# Altium PCB AU0005A.pcbdoc
Units mil, origin at the board's own origin, x right, y up, seen from the top; angles counter-clockwise.
Board outline 6543.05 x 5808.3 mil, 4 copper layers (Top Layer, GND, PWR, Bottom Layer), stack 39.556 mil thick; 98 components, 61 nets, 390 pads, 0 vias.
Unrouted connection lines stored in the file: 218.
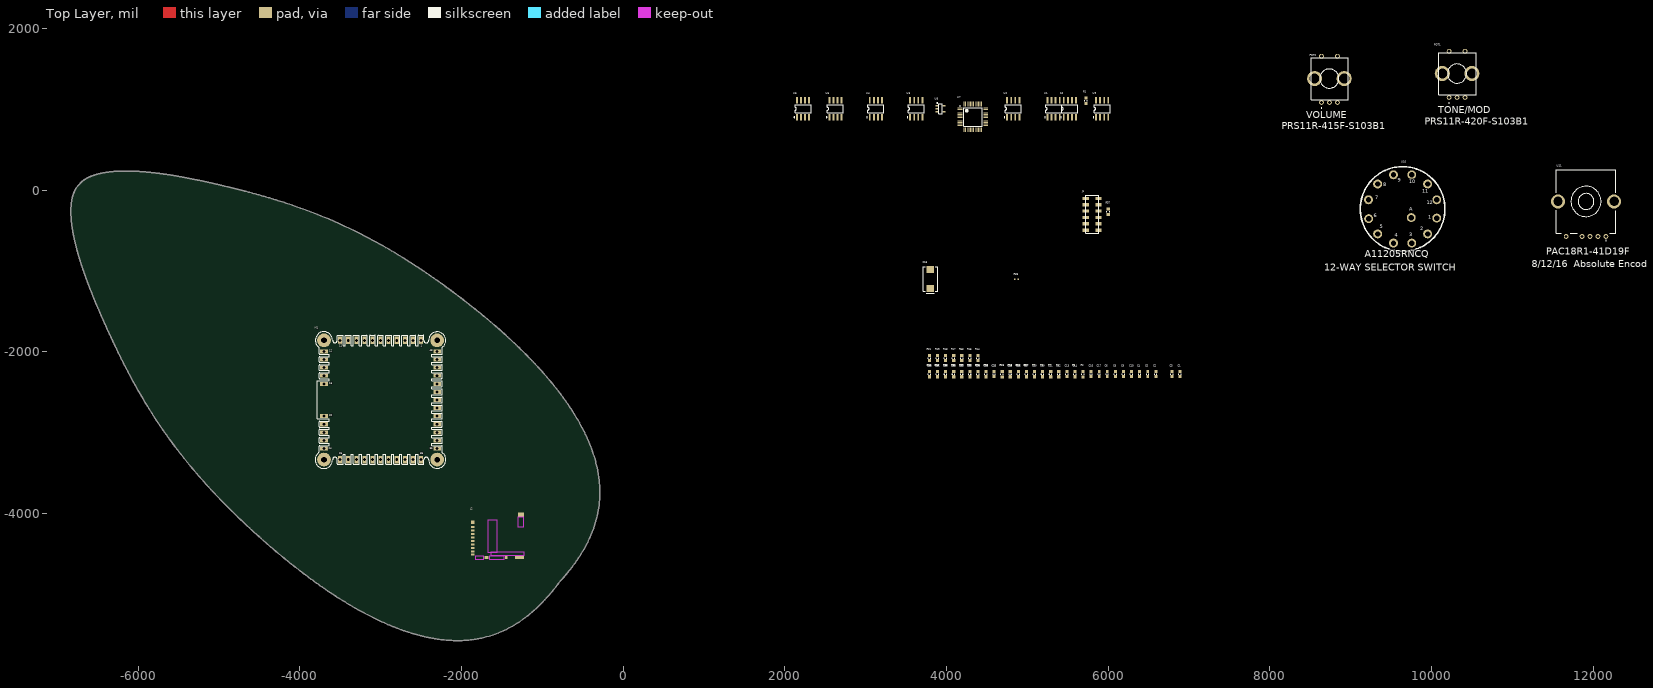
[diagram p0: Top Layer view]
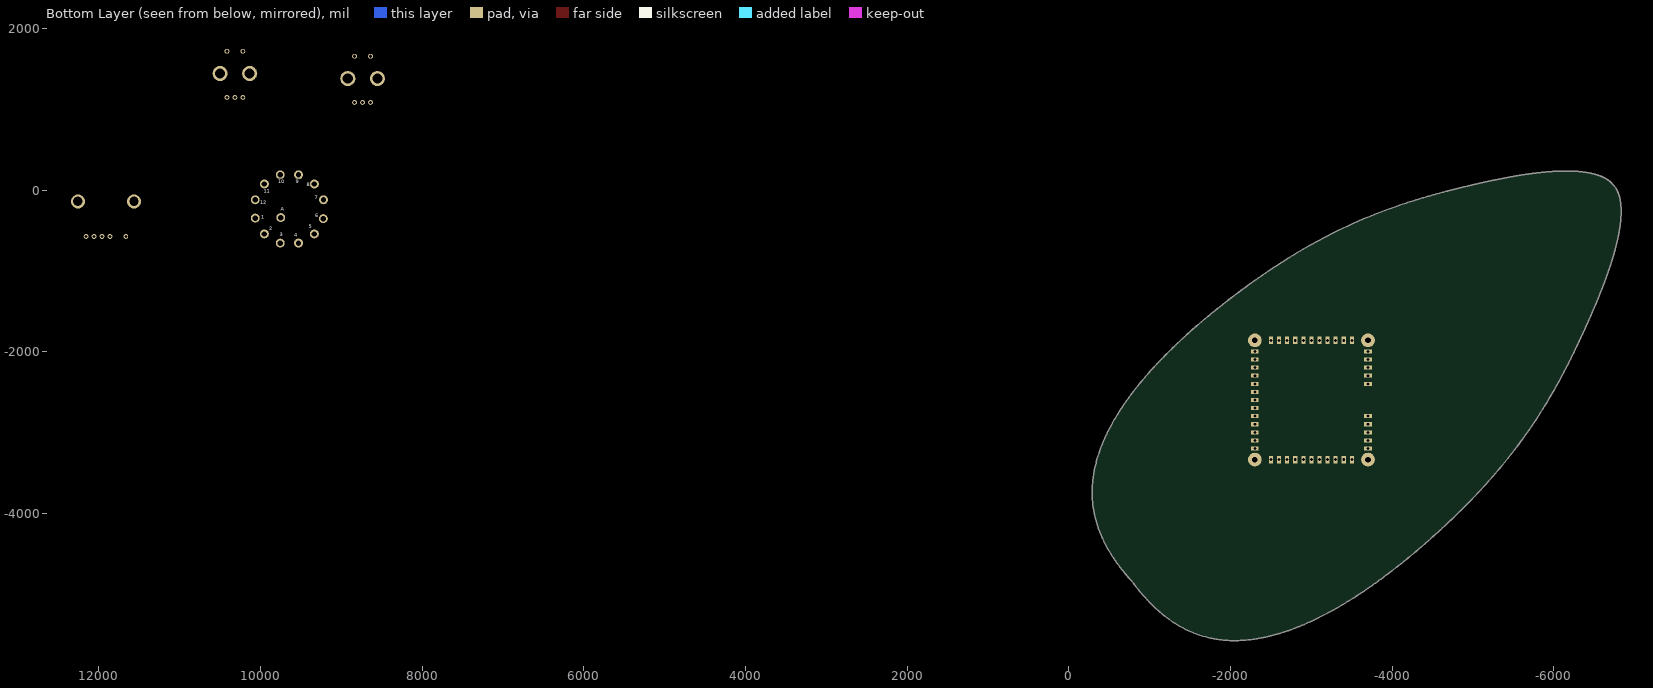
[diagram p1: Bottom Layer view, seen from below]

## Layer stack, top to bottom
Top Solder: solder mask 0.4, Solder Resist, Dk 3.5
Top Layer: signal copper 1.4
Dielectric 1: prepreg 2.8, PP-006, Dk 4.1
GND: signal copper 1.378
Dielectric1: dielectric 28.4, FR-4, Dk 4.8
PWR: signal copper 1.378
Dielectric 2: prepreg 2.8, PP-006, Dk 4.1
Bottom Layer: signal copper 1.4
Bottom Solder: solder mask 0.4, Solder Resist, Dk 3.5

## Board outline
1257 vertices, not listed, extent -6831.99,-5573.18 -288.93,235.11

## Design rules (kind name [scope] priority, off if disabled: settings)
Clearance [All] p1: gap=5 ignorepadtopadclearanceinfootprint=FALSE except(8: Arc-Poly Track-Poly SMDPad-Poly THPad-Poly Via-Poly Fill-Poly Poly-Poly)
ComponentClearance ComponentClearance_1 [HasFootprint('ER-TFT1.54-1')] p1: gap=0 collisioncheckmode=3 verticalgap=0 showdistances=FALSE
ComponentClearance [All] p2: gap=10 collisioncheckmode=3 verticalgap=10 showdistances=FALSE
Height [All] p1: minheight=0 maxheight=5000 prefheight=500
PlaneClearance [All] p1: clearance=10
PolygonConnect PolygonConnect_2 [InNet('GND')] p1: thpad.connectstyle=Direct thpad.reliefconductorwidth=10 thpad.reliefentries=4 thpad.polygonreliefangle="90 Angle" thpad.airgapwidth=10 smdpad.connectstyle=Relief smdpad.reliefconductorwidth=10 smdpad.reliefentries=4 smdpad.polygonreliefangle="90 Angle" smdpad.airgapwidth=10 via.connectstyle=Direct via.reliefconductorwidth=10 via.reliefentries=4 via.polygonreliefangle="90 Angle" via.airgapwidth=10
PolygonConnect PolygonConnect_1 [IsVia] p2: connectstyle=Direct reliefconductorwidth=10 reliefentries=4 polygonreliefangle="90 Angle" airgapwidth=10
PolygonConnect [All] p3: connectstyle=Relief reliefconductorwidth=10 reliefentries=4 polygonreliefangle="90 Angle" airgapwidth=5
RoutingVias [All] p1: holewidth=12 width=26 viastyle="Through Hole" minholewidth=6 minwidth=6 maxholewidth=50 maxwidth=75
SilkToSolderMaskClearance SilkscreenOverComponentPads [IsPad] p1: minsilkscreentomaskgap=10 clearancetoexposedcopper=TRUE
SolderMaskExpansion [All] p1: expansion=4 istentingtop=FALSE
Width [All] p1: maxlimit=200 minlimit=5 preferedwidth=5
26 further rules are at their usual default settings.

## Classes and differential pairs
component class U_ADC_IN: 10 C1 C2 C3 C4 C5 C6 C7 C8 C9 C10 C11 C12 C13 C14 C15 C16 C17 C18 C19 C20 C21 C22 C23 C24 C25 C26 C27 C28 C29 C30 C31 C32 C33 C34 C35 C36 C37 C38 C39 C40 C41 C42 R1 R2 R3 R4 R5 R6 R7 R8 R9 R10 R11 R12 R13 R14 R15 R16 R17 R18 R19 R20 R21 R22 R23 R24 R25 R26 R27 R28 R29 R30 R31 R32 R33 R34 R35 R36 R37 R53 U1 U2 U3 U4 U5 U6 U7 U8 U9
component class RT_SUPER_HOST_A: J1 J2 M1 POT2 R38 U10 U11

## Components (designator, comment, footprint, x,y, rotation, side; value= is the part's Value field where it differs from the comment)
10 "OPA2340UA/2K5" "SOIC 8" 5525,1005.31 r0 top
C1 "1000pF" C0603_0.90MM_MD 6888.44,-2278.04 r90 top
C2 "0.1µF" C0603_0.90MM_MD 6588.44,-2278.04 r90 top
C3 "0.1µF" C0603_0.90MM_MD 6788.44,-2278.04 r90 top
C4 "0.1µF" C0603_0.90MM_MD 6388.44,-2278.04 r90 top
C5 "0.1µF" C0603_0.90MM_MD 6488.44,-2278.04 r90 top
C6 "0.1µF" C0603_0.90MM_MD 5988.44,-2278.04 r90 top
C7 "2000pF" C0603_MD 4988.44,-2278.04 r90 top
C8 "0.1µF" C0603_0.90MM_MD 6088.44,-2278.04 r90 top
C9 "0.1µF" C0603_0.90MM_MD 6188.44,-2278.04 r90 top
C10 "0.1µF" C0603_0.90MM_MD 6288.44,-2278.04 r90 top
C11 "0.1µF" C0603_0.90MM_MD 5288.44,-2278.04 r90 top
C12 "0.1µF" C0603_0.90MM_MD 5388.44,-2278.04 r90 top
C13 "0.1µF" C0603_0.90MM_MD 5488.44,-2278.04 r90 top
C14 "0.1µF" C0603_0.90MM_MD 5588.44,-2278.04 r90 top
C15 "2000pF" C0603_MD 4888.44,-2278.04 r90 top
C16 "0.1µF" C0603_0.90MM_MD 5788.44,-2278.04 r90 top
C17 "0.1µF" C0603_0.90MM_MD 5888.44,-2278.04 r90 top
C18 "220µF" C_TANT_D_HD 3800,-1100 r90 top
C19 "10000pF" C0603_0.90MM_MD 5188.44,-2278.04 r90 top
C20 "10000pF" C0603_0.90MM_MD 4388.44,-2278.04 r90 top
C21 "0.1µF" C0603_0.90MM_MD 4488.44,-2278.04 r90 top
C22 "1µF" C0603_0.90MM_MD 4588.44,-2278.04 r90 top
C23 "10000pF" C0603_0.90MM_MD 4788.44,-2278.04 r90 top
C24 "2000pF" C0603_MD 4788.44,-2278.04 r90 top
C25 "0.1µF" C0603_0.90MM_MD 4888.44,-2278.04 r90 top
C26 "2000pF" C0603_MD 4588.44,-2278.04 r90 top
C27 "0.1µF" C0603_0.90MM_MD 4988.44,-2278.04 r90 top
C28 "2000pF" C0603_MD 4488.44,-2278.04 r90 top
C29 "10000pF" C0603_0.90MM_MD 5088.44,-2278.04 r90 top
C30 "2000pF" C0603_MD 4388.44,-2278.04 r90 top
C31 "2000pF" C0603_MD 4288.44,-2278.04 r90 top
C32 "10000pF" C0603_0.90MM_MD 4288.44,-2278.04 r90 top
C33 "2000pF" C0603_MD 4188.44,-2278.04 r90 top
C34 "2000pF" C0603_MD 4088.44,-2278.04 r90 top
C35 "0.1µF" C0603_0.90MM_MD 4188.44,-2278.04 r90 top
C36 "2000pF" C0603_MD 3988.44,-2278.04 r90 top
C37 "2000pF" C0603_MD 3888.44,-2278.04 r90 top
C38 "10000pF" C0603_0.90MM_MD 4088.44,-2278.04 r90 top
C39 "2000pF" C0603_MD 3788.44,-2278.04 r90 top
C40 "10000pF" C0603_0.90MM_MD 3988.44,-2278.04 r90 top
C41 "10000pF" C0603_0.90MM_MD 3888.44,-2278.04 r90 top
C42 "10000pF" C0603_0.90MM_MD 3788.44,-2278.04 r90 top
J1 "87759-1250" 87759-1250 5800,-300 r90 top
J2 "DM3AT-SF-PEJM5" DM3AT-SF-PEJM5 -1229.11,-4295.43 r90 top
M1 "SUPERMONKEY" SUPERMONKEY -3001,-2597 r0 top
POT1 "Projects" PRS11R420FS103B1 10315,1441 r0 top
POT2 "PRS11R-415F-S103B1" PRS11R415FS103B1 8735.93,1379 r0 top
R1 "4.7M" R0603_MD 5725,1105.31 r90 top
R2 "51" R0603_MD 5688.44,-2278.04 r90 top
R3 "100k" R0603_MD 5588.44,-2278.04 r90 top
R4 "51" R0603_MD 5388.44,-2278.04 r90 top
R5 "4.7M" R0603_MD 4988.44,-2278.04 r90 top
R6 "4.7M" R0603_MD 4888.44,-2278.04 r90 top
R7 "51" R0603_MD 5288.44,-2278.04 r90 top
R8 "100k" R0603_MD 5188.44,-2278.04 r90 top
R9 "51" R0603_MD 5088.44,-2278.04 r90 top
R10 "4.7M" R0603_MD 4788.44,-2278.04 r90 top
R11 "4.7M" R0603_MD 4688.44,-2278.04 r90 top
R12 "51" R0603_MD 4988.44,-2278.04 r90 top
R13 "100k" R0603_MD 4888.44,-2278.04 r90 top
R14 "1k" R0603_MD 4388.44,-2078.04 r90 top
R15 "1k" R0603_MD 4288.44,-2078.04 r90 top
R16 "51" R0603_MD 4788.44,-2278.04 r90 top
R17 "1k" R0603_MD 4088.44,-2078.04 r90 top
R18 "1k" R0603_MD 3988.44,-2078.04 r90 top
R19 "1k" R0603_MD 3888.44,-2078.04 r90 top
R20 "4.7M" R0603_MD 4488.44,-2278.04 r90 top
R21 "1k" R0603_MD 3788.44,-2078.04 r90 top
R22 "4.7M" R0603_MD 4388.44,-2278.04 r90 top
R23 "51" R0603_MD 4688.44,-2278.04 r90 top
R24 "100k" R0603_MD 4488.44,-2278.04 r90 top
R25 "51" R0603_MD 4388.44,-2278.04 r90 top
R26 "4.7M" R0603_MD 4288.44,-2278.04 r90 top
R27 "4.7M" R0603_MD 4188.44,-2278.04 r90 top
R28 "51" R0603_MD 4288.44,-2278.04 r90 top
R29 "100k" R0603_MD 4188.44,-2278.04 r90 top
R30 "51" R0603_MD 4088.44,-2278.04 r90 top
R31 "4.7M" R0603_MD 4088.44,-2278.04 r90 top
R32 "4.7M" R0603_MD 3988.44,-2278.04 r90 top
R33 "51" R0603_MD 3988.44,-2278.04 r90 top
R34 "100k" R0603_MD 3888.44,-2278.04 r90 top
R35 "51" R0603_MD 3788.44,-2278.04 r90 top
R36 "4.7M" R0603_MD 3888.44,-2278.04 r90 top
R37 "4.7M" R0603_MD 6000,-267.52 r90 top
R38 "10k" R0402_0.40MM_MD 4865,-1103 r0 top
R53 "1k" R0603_MD 4188.44,-2078.04 r90 top
U1 "OPA2340UA/2K5" "SOIC 8" 5325,1005.31 r0 top
U2 "OPA2340UA/2K5" "SOIC 8" 4825,1005.31 r0 top
U3 "OPA2340UA/2K5" "SOIC 8" 3625,1005.31 r0 top
U4 "OPA2340UA/2K5" "SOIC 8" 3125,1005.31 r0 top
U5 "OPA2340UA/2K5" "SOIC 8" 2625,1005.31 r0 top
U6 "OPA2340UA/2K5" "SOIC 8" 2225,1005.31 r0 top
U7 "CS5366-DQZ" TSQFP50P900X900X145-48L 4325,905.31 r0 top
U8 "SN74AHC1G125DBVR" SOT23-5 3925,1005.31 r0 top
U9 "OPA2340UA/2K5" "SOIC 8" 5925,1005.31 r0 top
U10 "A11205RNCQ" A11205RNCQ 9641.11,-234.1 r0 top
U11 "PAC18R1-41D19F" PAC18R1 11910,-141 r0 top

## Footprints (in the part's own frame and the unit in brackets; to place one, negate y for a bottom-side part, rotate by r counter-clockwise, add the part's x,y. Pads: shape width x height; smd on the part's side, far side on the other; paste and mask are expansions set on the pad)
87759-1250 [mm] "CONN HEADER 12POS 2MM VERT SMD"
  rect 1x2 smd: 1(-5,-2) 2(-5,2) 3(-3,-2) 4(-3,2) 5(-1,-2) 6(-1,2) 7(1,-2) 8(1,2) 9(3,-2) 10(3,2) 11(5,-2) 12(5,2)
  round 0 hole 1.2 unplated: M1(-4,0) M2(4,0)
  silkscreen extent -5.92,-2.02 5.97,2.03, body extent -5.92,-2.75 5.98,2.75, height 6.45
A11205RNCQ [mil]
  round 110 hole 66: 1(422.11,-113.1) 2(309.01,-309.01) 3(113.1,-422.11) 4(-113.1,-422.11) 5(-309.01,-309.01) 6(-420,-120) 7(-422.11,113.1) 8(-309.01,309.01) 9(-113.1,422.11) 10(113.1,422.11) 11(309.01,309.01) 12(422.11,113.1) A(106.77,-106.77)
  silkscreen extent -523,-523 523,523, body extent -518,-518 518,518, height 1367
C0603_0.90MM_MD [mm] "Capacitor 0603 - Medium Density"
  rect 0.95x0.9 smd: 1(-0.775,0) 2(0.775,0)
  silkscreen extent -0.1,-0.35 0.1,0.35, body extent -0.8,-0.4 0.8,0.4, height 0.9
C0603_MD [mm] "Capacitor 0603 - Medium Density"
  rect 0.95x0.9 smd: 1(-0.775,0) 2(0.775,0)
  silkscreen extent -0.1,-0.35 0.1,0.35, body extent -0.8,-0.4 0.8,0.4, height 0.56
C_TANT_D_HD [mm] "Molded Capacitor, 2-Leads, Body 7.3x4.3mm, IPC High Density"
  rect 2.2x2.35 smd: 1(-2.925,0) 2(2.925,0)
  silkscreen extent -4.44,-2.3 3.8,2.3, body extent -3.65,-2.15 3.65,2.15, height 2.8
DM3AT-SF-PEJM5 [mm] "Hirose DM3AT-SF-PEJM5 uSD connector - Normal Mount"
  rect 0.7x1.2 smd: 1(3.2,16.05) 2(2.1,16.05) 3(1,16.05) 4(-0.1,16.05) 5(-1.2,16.05) 6(-2.3,16.05) 7(-3.4,16.05) 8(-4.5,16.05) CDB(-5.45,16.05)
  rect 1x0.8 smd: CDA(-6.4,5.55)
  rect 1x1.2 smd: M(-6.4,11.75) M(4.75,16.05)
  rect 1x2.8 smd: M(-6.4,1.4)
  rect 1.3x1.9 smd: M(7.1,0.95)
  Top Layer keep-out region: -4.648,8.35 5.325,8.35 5.325,11.4 -4.648,11.4
  Top Layer keep-out region: -5.7,-0.1 -4.7,-0.1 -4.7,10.4 -5.7,10.4
  Top Layer keep-out region: -6.9,6.172 -5.9,6.172 -5.9,10.922 -6.9,10.922
  Top Layer keep-out region: -6.9,12.573 -5.9,12.573 -5.9,15.325 -6.9,15.325
  Top Layer keep-out region: 3.275,0 6.275,0 6.275,1.9 3.275,1.9
  body extent -6.49,0 7.36,16.15, height 1.68
PAC18R1 [mm]
  round 1.5 hole 1: 1(6.25,-11) 2(-6.25,-11) 3(3.75,-11) 4(-1.25,-11) 5(1.25,-11)
  round 4.455 hole 2.97: MH1(8.8,0) MH2(-8.8,0)
  silkscreen extent -9.4,-12.3 9.4,10, body extent -10.35,-10.1 9.85,9.9, height 28.7
PRS11R415FS103B1 [mm]
  round 1.5 hole 1: 1(-2.5,-7.5) 2(0,-7.5) 3(2.5,-7.5) 4(-2.5,7) 5(2.5,7)
  round 4.74 hole 3.16: MH1(-4.65,0) MH2(4.65,0)
  silkscreen extent -5.75,-9.3 5.95,6.49, body extent -5.75,-6.61 5.95,6.49, height 21.8
PRS11R420FS103B1 [mm]
  round 1.5 hole 1: 1(-2.5,-7.5) 2(0,-7.5) 3(2.5,-7.5) 4(-2.5,7) 5(2.5,7)
  round 4.74 hole 3.16: MH1(-4.65,0) MH2(4.65,0)
  silkscreen extent -5.75,-9.3 5.95,6.49, body extent -5.75,-6.61 5.95,6.49, height 26.8
R0402_0.40MM_MD [mm] "Resistor 0402 Medium Density"
  rect 0.45x0.55 smd: 1(-0.5,0) 2(0.5,0)
  body extent -0.5,-0.25 0.5,0.25, height 0.4
R0603_MD [mm] "0603 Resistor - Medium Density"
  rect 0.95x1 smd: 1(-0.825,0) 2(0.825,0)
  silkscreen extent -0.15,-0.4 0.15,0.4, body extent -0.8,-0.4 0.8,0.4, height 0.46
"SOIC 8" [mm]
  rect 0.6x2.05 smd: 1(-1.905,-2.675) 2(-0.635,-2.675) 3(0.635,-2.675) 4(1.905,-2.675) 5(1.905,2.675) 6(0.635,2.675) 7(-0.635,2.675) 8(-1.905,2.675)
  silkscreen extent -2.88,-2.8 2.5,1.25, body extent -2.49,-3.19 2.51,3.14, height 1.88
SOT23-5 [mm] "SOT23, 5-Leads, Body 3.1x2.6mm (max), Pitch 0.95mm, IPC High Density"
  rect 0.85x0.6 smd: 1(-1.125,0.95) 2(-1.125,0) 3(-1.125,-0.95) 4(1.125,-0.95) 5(1.125,0.95)
  silkscreen extent -1.15,-1.5 0.5,1.92, body extent -1.38,-1.45 1.32,1.45, height 1.15
SUPERMONKEY [mil]
  rect 50x95 hole 36: 1(500,737.5) 2(400,737.5) 3(300,737.5) 4(200,737.5) 5(100,737.5) 6(0,737.5) 7(-100,737.5) 8(-200,737.5) 9(-300,737.5) 10(-400,737.5) 11(-500,737.5) 25(-500,-737.5) 26(-400,-737.5) 27(-300,-737.5) 28(-200,-737.5) 29(-100,-737.5) 30(0,-737.5) 31(100,-737.5) 32(200,-737.5) 33(300,-737.5) 34(400,-737.5) 35(500,-737.5)
  round 170 hole 70: 2(-700,-737.5) 2(-700,737.5) 2(700,-737.5) 2(700,737.5)
  rect 95x50 hole 36: 12(-700,600) 13(-700,500) 14(-700,400) 15(-700,300) 16(-700,200) 20(-700,-200) 21(-700,-300) 22(-700,-400) 23(-700,-500) 24(-700,-600) 36(700,-600) 37(700,-500) 38(700,-400) 39(700,-300) 40(700,-200) 41(700,-100) 42(700,0) 43(700,100) 44(700,200) 45(700,300) 46(700,400) 47(700,500) 48(700,600)
  Top Layer lines w5: -700,-600 -699.68,-600.32 ; -700,-400 -686.73,-386.73 ; -700,-300 -697,-303 ; -700,200 -699.88,199.88 ; -700,400 -698.35,401.65 ; -409.45,-728.05 -400,-737.5 ; 100,-737.5 103,-734.5 ; 500,-737.5 505,-732.5 ; 696.57,-396.57 700,-400
  Top Layer lines w20: 498,735.5 500,737.5
  silkscreen extent -810,-847 807,844
TSQFP50P900X900X145-48L [mm] "TSQFP, 48-Leads, Body 9.1x9.1mm (max), Pitch 0.50mm, IPC High Density"
  rect 1.5x0.25 smd: 1(-4.05,2.75) 2(-4.05,2.25) 3(-4.05,1.75) 4(-4.05,1.25) 5(-4.05,0.75) 6(-4.05,0.25) 7(-4.05,-0.25) 8(-4.05,-0.75) 9(-4.05,-1.25) 10(-4.05,-1.75) 11(-4.05,-2.25) 12(-4.05,-2.75) 25(4.05,-2.75) 26(4.05,-2.25) 27(4.05,-1.75) 28(4.05,-1.25) 29(4.05,-0.75) 30(4.05,-0.25) 31(4.05,0.25) 32(4.05,0.75) 33(4.05,1.25) 34(4.05,1.75) 35(4.05,2.25) 36(4.05,2.75)
  rect 0.25x1.5 smd: 13(-2.75,-4.05) 14(-2.25,-4.05) 15(-1.75,-4.05) 16(-1.25,-4.05) 17(-0.75,-4.05) 18(-0.25,-4.05) 19(0.25,-4.05) 20(0.75,-4.05) 21(1.25,-4.05) 22(1.75,-4.05) 23(2.25,-4.05) 24(2.75,-4.05) 37(2.75,4.05) 38(2.25,4.05) 39(1.75,4.05) 40(1.25,4.05) 41(0.75,4.05) 42(0.25,4.05) 43(-0.25,4.05) 44(-0.75,4.05) 45(-1.25,4.05) 46(-1.75,4.05) 47(-2.25,4.05) 48(-2.75,4.05)
  silkscreen extent -4.17,-2.9 2.9,3.55, body extent -4.5,-4.5 4.5,4.5, height 1.4

## Part data
10 U1 U2 U3 U4 U5 U6 U9: "IC OPAMP GP 5.5MHZ RRO 8SOIC", Current - Input Bias=0.2pA, Current - Output / Channel=50mA, Current - Supply=750µA, Manufacturer="Texas Instruments", Operating Temperature="-40°C ~ 85°C", Package / Case="8-SOIC (0.154\", 3.90mm Width)", Supplier Device Package=8-SOIC, Supplier Part Number 1=296-26254-1-ND, Voltage - Input Offset=150µV, Voltage - Supply, Single/Dual (±)="2.5 V ~ 5.5 V", -3db Bandwidth=-, Amplifier Type="General Purpose", Category="Integrated Circuits (ICs)", ComponentLink1Description=http://www.ti.com/lit/ds/symlink/opa2340.pdf, ComponentLink1URL=http://www.ti.com/lit/ds/symlink/opa2340.pdf, Gain Bandwidth Product=5.5MHz, Manufacturer Part Number=OPA2340UA/2K5, Mounting Type="Surface Mount", Number of Circuits=2, Output Type=Rail-to-Rail, Packaging="Cut Tape (CT)", Pricing 1="1=3.51, 10=3.148, 25=2.8304, 100=2.5742, 250=2.3302, 500=2.0862, 750=1.891, 1000=1.7568 (USD)", RoHS="RoHS Compliant", Slew Rate="6 V/µs", Stock 1=1425, Supplier 1=Digi-Key
C1: library part CL10C102FB8NNNC, "CAP CER 1000PF 50V C0G/NP0 0603", Manufacturer="Samsung Electro-Mechanics", Operating Temperature="-55°C ~ 125°C", Package=0603, Ratings=-, Supplier Part Number 1=1276-6824-1-ND, Temperature Coefficient="C0G, NP0", Tolerance=±1%, Voltage - Rated=50V, Category=Capacitors, ComponentLink1Description="Datasheet (Internal)", ComponentLink1URL=datasheets\Samsung\CL05B153KB5VPNC.pdf.pdf, ComponentLink2Description="Datasheet (External)", ComponentLink2URL=http://www.samsungsem.com/kr/support/product-search/mlcc/__icsFiles/afieldfile/2017/05/25/CL05B153KB5VPNC.pdf, Manufacturer Part Number=CL10C102FB8NNNC, Substitution Notes="1000pF , 50V , ±1% , C0G, NP0 , -55°C ~ 125°C,0603", Supplier 1=Digikey, Thickness (Max)=0.90MM
C2 C3 C4 C5 C6 C8 C9 C10 C11 C12 C13 C14 C16 C17 C21 C25 C27 C35: library part CGA3E2X7R1H104K080AA, "CAP CER 0.1UF 50V X7R 0603", Manufacturer="TDK Corporation", Operating Temperature="-55°C ~ 125°C", Package=0603, Ratings=AEC-Q200, Supplier Part Number 1=445-5666-1-ND, Temperature Coefficient=X7R, Tolerance=±10%, Voltage - Rated=50V, Category=Capacitors, ComponentLink1Description="Datasheet (Internal)", ComponentLink1URL=datasheets\TDK\mlcc_automotive_general_en.pdf, ComponentLink2Description="Datasheet (External)", ComponentLink2URL=https://product.tdk.com/info/en/catalog/datasheets/mlcc_automotive_general_en.pdf, Features=-, Manufacturer Part Number=CGA3E2X7R1H104K080AA, Substitution Notes="0.1µF , 50V , ±10% , X7R , -55°C ~ 125°C , AEC-Q200 , 0603", Supplier 1=Digikey, Thickness (Max)=0.90MM
C7 C15 C24 C26 C28 C30 C31 C33 C34 C36 C37 C39: library part GRM1885C1H202JA01D, "CAP CER 2000PF 50V 5% NP0 0603", Manufacturer="Murata Electronics North America", Operating Temperature="-55°C ~ 125°C", Package="0603 (1608 Metric)", Ratings=-, Sort Value=2000, Sort Value Package=0603_2000, Supplier Package=0603, Supplier Part Number 1=490-1458-1-ND, Temperature Coefficient="C0G- NP0", Tolerance=±5%, Value_Voltage="2000pF  50V", Voltage - Rated=50V, Applications="General Purpose", Capacitance=2000pF, Category=Capacitors, ComponentLink1Description="\\altium.sil.arl.psu.edu\Libraries\datasheets\Murata Electronics North America\GRM1885C1H202JA01%23.pdf", ComponentLink1URL=http://search.murata.co.jp/Ceramy/image/img/A01X/G101/ENG/GRM1555C1HR60WA01-01.pdf, ComponentLink2Description="External Datasheet", ComponentLink2URL=http://psearch.murata.com/capacitor/product/GRM1885C1H202JA01%23.pdf, Features=-, Height - Seated (Max)=-, Lead Spacing=-, Lead Style=-, Manufacturer Part Number=GRM1885C1H202JA01D, Mounting Type="Surface Mount- MLCC", Packaging="Cut Tape (CT)", Pricing="1 = 0.13  ;  10 = 0.09  ;  50 = 0.0518  ;  100 = 0.0428  ;  250 = 0.036  ;  500 = 0.03016  ;  1000 = 0.02475 (USD)", Sales Status=Active, Size / Dimension="0.063\" L x 0.031\" W (1.60mm x 0.80mm)", Stocked=0, Supplier 1=Digi-Key, Thickness=90, Thickness (Max)="0.035\" (0.90mm)"
C18: library part T495D227K010ATE125, "CAP TANT 220UF 10V 10% 2917", ESR (Equivalent Series Resistance)="125 mOhm", Lifetime @ Temp#=-, Manufacturer=Kemet, Operating Temperature="-55°C ~ 125°C", Package="2917 (7343 Metric)", Sort Value=220000000, Sort Value Package=D_220000000, Supplier Package=D, Supplier Part Number 1=399-3881-1-ND, Temperature Coefficient="Temperature Coefficient", Tolerance=±10%, Value_Voltage="220µF  10V  125 mOhm", Voltage - Rated=10V, Capacitance=220µF, Category=Capacitors, ComponentLink1Description="Internal Datasheet", ComponentLink1URL=http://www.kemet.com/datasheets&T495D227K010ATE125, ComponentLink2Description="External Datasheet", ComponentLink2URL=http://www.kemet.com/datasheets&T495D227K010ATE125, F40=T, Features="General Purpose", Height - Seated (Max)="0.122\" (3.10mm)", Lead Spacing=-, Manufacturer Part Number=T495D227K010ATE125, Mounting Type="Surface Mount", Packaging="Cut Tape (CT)", Pricing="1 = 1.68  ;  10 = 1.329  ;  50 = 1.1518  ;  100 = 0.9968  ;  250 = 0.886 (USD)", Sales Status=Active, Size / Dimension="0.287\" L x 0.169\" W (7.30mm x 4.30mm)", Stocked=0, Supplier 1=Digi-Key, Type=Molded
C19 C20 C23 C29 C32 C38 C40 C41 C42: library part CGA3E2X7R1H103K080AA, "CAP CER 10000PF 50V X7R 0603", Manufacturer="TDK Corporation", Operating Temperature="-55°C ~ 125°C", Package=0603, Ratings=AEC-Q200, Supplier Part Number 1=445-5662-1-ND, Temperature Coefficient=X7R, Tolerance=±10%, Voltage - Rated=50V, Category=Capacitors, ComponentLink1Description="Datasheet (Internal)", ComponentLink1URL=datasheets\TDK\mlcc_automotive_general_en.pdf, ComponentLink2Description="Datasheet (External)", ComponentLink2URL=https://product.tdk.com/info/en/catalog/datasheets/mlcc_automotive_general_en.pdf, Features=-, Manufacturer Part Number=CGA3E2X7R1H103K080AA, Substitution Notes="10000pF , 50V , ±10% , X7R , -55°C ~ 125°C , AEC-Q200 , 0603", Supplier 1=Digikey, Thickness (Max)=0.90MM
C22: library part CGA3E1X7R1E105K080AC, "CAP CER 1UF 25V X7R 0603", Manufacturer="TDK Corporation", Operating Temperature="-55°C ~ 125°C", Package=0603, Ratings=AEC-Q200, Supplier Part Number 1=445-6931-1-ND, Temperature Coefficient=X7R, Tolerance=±10%, Voltage - Rated=25V, Category=Capacitors, ComponentLink1Description="Datasheet (Internal)", ComponentLink1URL=datasheets\TDK\mlcc_automotive_general_en.pdf, ComponentLink2Description="Datasheet (External)", ComponentLink2URL=https://product.tdk.com/info/en/catalog/datasheets/mlcc_automotive_general_en.pdf, Features=-, Manufacturer Part Number=CGA3E1X7R1E105K080AC, Substitution Notes="1µF , 25V , ±10% , X7R , -55°C ~ 125°C , AEC-Q200 , 0603", Supplier 1=Digikey, Thickness (Max)=0.90MM
J1: "CONN HEADER 12POS 2MM VERT SMD", Color=Black, Manufacturer="Molex Connector Corporation", Supplier Part Number 1=WM18653-ND, Category="Connectors, Interconnects", ComponentLink1Description=http://www.molex.com/pdm_docs/sd/877591250_sd.pdf, ComponentLink1URL=http://www.molex.com/pdm_docs/sd/877591250_sd.pdf, Connector Type="Header, Unshrouded", Contact Finish=Gold, Contact Finish Thickness="15µin (0.38µm)", Contact Mating Length="0.150\" (3.81mm)", Contact Type="Male Pin", Fastening Type=-, Features="Board Guide", Manufacturer Part Number=87759-1250, Mounting Type="Surface Mount", Number of Positions=12, Number of Positions Loaded=All, Number of Rows=2, Packaging=Tube, Pitch="0.079\" (2.00mm)", Pricing 1="1=2.07, 10=1.823, 100=1.2155, 500=0.9724, 1000=0.80709 (USD)", RoHS="RoHS Compliant", Row Spacing="0.079\" (2.00mm)", Stock 1=1595, Supplier 1=Digi-Key, Termination=Solder
J2: "CONN MICRO SD R/A PUSH-PUSH SMD", Manufacturer="Hirose Electric Co Ltd", Supplier Part Number 1=HR1964CT-ND, Card Type="Secure Digital - microSD™", Category="Connectors, Interconnects", ComponentLink1Description=http://www.hirose.co.jp/cataloge_hp/e60900232.pdf, ComponentLink1URL=http://www.hirose.co.jp/cataloge_hp/e60900232.pdf, Connector Type="Connector and Ejector", Contact Finish=Gold, Contact Finish Thickness=-, Ejector Side=-, Features=Switch, Height Above Board="0.066\" (1.68mm)", Insertion, Removal Method="Push In, Push Out", Manufacturer Part Number=DM3AT-SF-PEJM5, Mounting Feature="Normal, Standard - Top", Mounting Type="Surface Mount, Right Angle", Number of Positions="10 (8 + 2)", Packaging="Cut Tape (CT)", Pricing="1=2.83, 10=2.72, 25=2.4932, 50=2.3798, 100=2.2664, 250=1.98312, 500=1.92648 (USD)", RoHS="RoHS Compliant", Stock=28699, Supplier 1=Digi-Key
POT1: library part PRS11R-420F-S103B1, Manufacturer=Bourns, Manufacturer Part Number=PRS11R-415F-S103B1, Supplier Part Number 1=652-PRS11R415FS103B1, Pricing="1=3.76000, 10=3.30000, 50=3.30000, 100=2.70000, 1000=1.82000, 10000=1.70000 (USD)", RoHS=No, Stock 1=729, Supplier 1=Mouser
POT2: Manufacturer=Bourns, Supplier Part Number 1=652-PRS11R415FS103B1, Manufacturer Part Number=PRS11R-415F-S103B1, Pricing="1=3.76000, 10=3.30000, 50=3.30000, 100=2.70000, 1000=1.82000, 10000=1.70000 (USD)", RoHS=No, Stock 1=729, Supplier 1=Mouser
R1 R5 R6 R10 R11 R20 R22 R26 R27 R31 R32 R36 R37: "RES SMD 4.7M OHM 1% 1/10W 0603", Case Code (Imperial)=0603, Case Code (Metric)=1608, Manufacturer=Yageo, Manufacturer Part Number=RC0603FR-074M7L, Max Operating Temperature=155°C, Min Operating Temperature=-55°C, Power Rating=100mW, Resistance=4.7MR, Supplier Part Number 1=311-4.70MHRCT-ND, Temperature Coefficient=100ppm/°C, Tolerance=1%, Voltage Rating=50V, Case/Package=0603, ComponentLink1Description=https://datasheet.ciiva.com/11819/0900766b80f96399-11819362.pdf, ComponentLink1URL=https://datasheet.ciiva.com/11819/0900766b80f96399-11819362.pdf, ComponentLink2Description=https://datasheet.ciiva.com/15189/getdatasheetpartid-328863-15189765.pdf, ComponentLink2URL=https://datasheet.ciiva.com/15189/getdatasheetpartid-328863-15189765.pdf, ComponentLink3Description=https://datasheet.ciiva.com/7746/443971-7746367.pdf, ComponentLink3URL=https://datasheet.ciiva.com/7746/443971-7746367.pdf, Composition="Thick Film", Depth=0.8mm, Height=0.45mm, Lead Free="Lead Free", Length=1.6mm, Military Standard=Not, Number of Pins=2, Packaging="Tape and Reel", Pricing 1="1=0.1, 10=0.015, 100=0.006, 1000=0.00268, 2500=0.00233 (USD)", REACH SVHC="No SVHC", Stock 1=774342, Supplier 1=Digi-Key, Termination=SMD/SMT, Voltage Rating (DC)=50V, Width=0.8mm
R2 R4 R7 R9 R12 R16 R23 R25 R28 R30 R33 R35: library part ERJ-3EKF51R0V, "RES 51 OHM 1/10W 1% 0603 SMD", Limiting Element Voltage=75, Manufacturer="Panasonic Electronic Components", Maximum Overload Voltage=150, Maximum Working Voltage=2.3V, Package="0603 (1608 Metric)", Package Power="0603  (0.1W)", Power (Watts)="0.1W- 1/10W", Sort Value Package=603_51, Supplier Package=603, Supplier Part Number 1=P51.0HCT-ND, Temperature Coefficient=±100ppm/°C, Tolerance=±1%, Category=Resistors, ComponentLink1Description="Internal Datasheet", ComponentLink1URL="\\altium.sil.arl.psu.edu\Libraries\datasheets\Panasonic Electronic Components\AOA0000CE2.pdf", ComponentLink2Description="External Datasheet", ComponentLink2URL=http://industrial.panasonic.com/www-data/pdf/AOA0000/AOA0000CE2.pdf, Composition="Thick Film", Features=-, Height="0.022\" (0.55mm)", Manufacturer Part Number=ERJ-3EKF51R0V, Number of Terminations=2, Packaging="Cut Tape (CT)", Resistance (Ohms)=51, Size / Dimension="0.063\" L x 0.031\" W (1.60mm x 0.80mm)", Sort Value=51, Stocked=0, Supplier 1=Digi-Key
R3 R8 R13 R24 R29 R34: library part ERJ-3EKF1003V, "RES 100K OHM 1/10W 1% 0603 SMD", Limiting Element Voltage=75, Manufacturer="Panasonic Electronic Components", Maximum Overload Voltage=150, Maximum Working Voltage=75.0V, Package="0603 (1608 Metric)", Package Power="0603  (0.1W)", Power (Watts)="0.1W- 1/10W", Sort Value=100000, Sort Value Package=603_100000, Supplier Package=603, Supplier Part Number 1=P100KHCT-ND, Temperature Coefficient=±100ppm/°C, Tolerance=±1%, Category=Resistors, ComponentLink1Description="Internal Datasheet", ComponentLink1URL="\\altium.sil.arl.psu.edu\Libraries\datasheets\Panasonic Electronic Components\AOA0000CE2.pdf", ComponentLink2Description="External Datasheet", ComponentLink2URL=http://industrial.panasonic.com/www-data/pdf/AOA0000/AOA0000CE2.pdf, Composition="Thick Film", Features=-, Height="0.022\" (0.55mm)", Manufacturer Part Number=ERJ-3EKF1003V, Number of Terminations=2, Packaging="Cut Tape (CT)", Resistance (Ohms)=100k, Size / Dimension="0.063\" L x 0.031\" W (1.60mm x 0.80mm)", Stocked=0, Supplier 1=Digi-Key
R14 R15 R17 R18 R19 R21 R53: library part ERJ-3EKF1001V, "RES 1K OHM 1/10W 1% 0603 SMD", Limiting Element Voltage=75, Manufacturer="Panasonic Electronic Components", Maximum Overload Voltage=150, Maximum Working Voltage=10.0V, Package="0603 (1608 Metric)", Package Power="0603  (0.1W)", Power (Watts)="0.1W- 1/10W", Sort Value=1000, Sort Value Package=603_1000, Supplier Package=603, Supplier Part Number 1=P1.00KHCT-ND, Temperature Coefficient=±100ppm/°C, Tolerance=±1%, Category=Resistors, ComponentLink1Description="Internal Datasheet", ComponentLink1URL="\\altium.sil.arl.psu.edu\Libraries\datasheets\Panasonic Electronic Components\AOA0000CE2.pdf", ComponentLink2Description="External Datasheet", ComponentLink2URL=http://industrial.panasonic.com/www-data/pdf/AOA0000/AOA0000CE2.pdf, Composition="Thick Film", Features=-, Height="0.022\" (0.55mm)", Manufacturer Part Number=ERJ-3EKF1001V, Number of Terminations=2, Packaging="Cut Tape (CT)", Resistance (Ohms)=1k, Size / Dimension="0.063\" L x 0.031\" W (1.60mm x 0.80mm)", Stocked=0, Supplier 1=Digi-Key
R38: library part ERJ-2RKF1002X, "RES 10K OHM 1/10W 1% 0402 SMD", Limiting Element Voltage=50, Manufacturer="Panasonic Electronic Components", Maximum Overload Voltage=100, Maximum Working Voltage=31.6V, Package="0402 (1005 Metric)", Package Power="0402  (0.1W)", Power (Watts)="0.1W- 1/10W", Ratings=AEC-Q200, Sort Value=10000, Sort Value Package=402_10000, Supplier Package=0402, Supplier Part Number 1=P10.0KLCT-ND, Temperature Coefficient=±100ppm/°C, Tolerance=±1%, Category=Resistors, ComponentLink1Description="Internal Datasheet", ComponentLink1URL="datasheets\Panasonic Electronic Components\AOA0000CE2.pdf", ComponentLink2Description="External Datasheet", ComponentLink2URL=http://industrial.panasonic.com/www-data/pdf/AOA0000/AOA0000CE2.pdf, Composition="Thick Film", Features=-, Height=0.40MM, Manufacturer Part Number=ERJ-2RKF1002X, Number of Terminations=2, Packaging="Cut Tape (CT)", Resistance (Ohms)=10k, Size / Dimension="0.039\" L x 0.020\" W (1.00mm x 0.50mm)", Substitution Notes="10k , ±1% , 0402 , AEC-Q200", Supplier 1=Digi-Key
U7: "Audio A/D Converter ICs 114dB 192kHz 6-Ch ADC w/TDM Interface", Manufacturer="Cirrus Logic", Maximum Operating Temperature="+ 105 C", Minimum Operating Temperature="- 40 C", Operating Supply Voltage="5 V", Package / Case=LQFP-48, Supplier Part Number 1=777-CS5366-DQZ, Supply Voltage - Max="5.25 V", Supply Voltage - Min="4.75 V", Brand="Cirrus Logic", Category="Audio A/D Converter ICs", ComponentLink1Description=http://www.mouser.com/ds/2/76/CirrusLogic_CS5366_F5-356671.pdf, ComponentLink1URL=http://www.mouser.com/ds/2/76/CirrusLogic_CS5366_F5-356671.pdf, Conversion Rate="192 kS/s", Manufacturer Part Number=CS5366-DQZ, Minimum Order Quantity=168, Mounting Style=SMD/SMT, Number of ADC Inputs=6, Number of Converters=1, Packaging=Tube, Pricing 1="168=20.52, 250=18.89, 500=17.91 (AUD)", Product Category="Converters - Analog to Digital (ADC)", Reeling=False, Resolution="24 bit", RoHS="RoHS Compliant", RoHS - Mouser=Y, Series=CS5366, SNR=No, Standard Pack Qty=250, Stock 1=0, Supplier 1=Mouser, Tradename=CS5366
U8: "IC BUS BUFF TRI-ST N-INV SOT235", Current - Output High, Low="8mA, 8mA", Manufacturer="Texas Instruments", Operating Temperature="-40°C ~ 85°C", Package / Case="SC-74A, SOT-753", Supplier Device Package=SOT-23-5, Supplier Part Number 1=296-8744-1-ND, Voltage - Supply="2 V ~ 5.5 V", Category="Integrated Circuits (ICs)", ComponentLink1Description=http://www.ti.com/lit/ds/symlink/sn74ahc1g125.pdf, ComponentLink1URL=http://www.ti.com/lit/ds/symlink/sn74ahc1g125.pdf, Logic Type="Buffer/Line Driver, Non-Inverting", Manufacturer Part Number=SN74AHC1G125DBVR, Mounting Type="Surface Mount", Number of Bits per Element=1, Number of Elements=1, Packaging="Cut Tape (CT)", Pricing 1="1=0.53, 25=0.31, 100=0.25, 250=0.18, 500=0.145, 1000=0.1125 (USD)", RoHS="RoHS Compliant", Stock 1=40446, Supplier 1=Digi-Key
U10: "Switch Rotary N.O./N.C. SP12T 12 Flatted Shaft PC Pins 2.5A 125VAC 125VDC Automotive", Current Rating=2.5A, Manufacturer="ITT C&K", Max Operating Temperature=85°C, Max Voltage Rating (AC)=125V, Min Operating Temperature=-30°C, Package Quantity=1, Supplier Part Number 1=CKN6042-ND, Actuator Length=12.7mm, Actuator Material=Nylon,Glass, Category="Rotary Switches", ComponentLink1Description=https://datasheet.ciiva.com/2887/a-rotary-30juyl14-2887303.pdf?src-supplier=Digi-Key, ComponentLink1URL=https://datasheet.ciiva.com/2887/a-rotary-30juyl14-2887303.pdf?src-supplier=Digi-Key, Contact Material=Silver, Contact Plating=Silver, Contact Style=Non-Shorting, Depth=26.19mm, Electrical Life=300000Cycles, Housing Material=Nylon, Index Angle=30°, Index Stops=Fixed, Lead Free="Lead Free", Length=26.19mm, Manufacturer Part Number=A11205RNCQ, Max Current Rating=2.5A, Max Voltage Rating (DC)=125V, Mount="Through Hole,Panel", Number of Decks=1, Number of Poles per Deck=1, Number of Positions=12, Orientation=Straight, Packaging=Bulk, Pricing="1=10.02000, 5=8.59800, 10=8.05100, 36=7.38194, 72=6.89514, 108=6.48963, 252=5.94202, 468=5.57701, 972=5.27280 (USD)", Radiation Hardening=No, RoHS=Yes, RoHS Compliant=Yes, Series=A, Stock 1=2149, Supplier 1=Digi-Key, Termination="PC Pin", Throw Configuration=SP,SP12T, Voltage Rating=125V, Voltage Rating (AC)=125V, Voltage Rating (DC)=125V
U11: Manufacturer=Bourns, Supplier Part Number 1=652-PAC18R1-41D19F, Manufacturer Part Number=PAC18R1-41D19F, Pricing="1=3.26000, 10=3.04000, 50=2.60000, 100=2.45000, 1000=2.00000, 10000=1.91000 (USD)", RoHS=No, Stock 1=1877, Supplier 1=Mouser

## Nets (pads, with @x,y where several pads share a name; then routed paths per layer and width w, separated by ;. In a path a pad name is that pad's centre, name@x,y a point inside that pad or via, vN(x,y) a via of type N, cw(c..) or ccw(c..) an arc to the next point about the centre after c; other vN are vias at no path point)
+3.3v: C11.2 C12.2 C13.2 C14.2 C16.2 C17.2 C35.2 J2.4 R15.1 R17.1 R18.1 R38.1 R53.1 U7.28 U7.33 U7.35 U8.5
+5v_A: C2.2 C3.2 C4.2 C5.2 C6.2 C8.2 C9.2 C20.2 C21.2 C22.2 C23.1 U1.8 U2.8 U3.8 U4.8 U5.8 U6.8 U7.4 U7.9 U7.20 U9.8
+FILT: C18.1 C25.2 U7.6
+VMID: 10.3 U1.5 U2.3 U2.5 U3.3 U3.5 U4.3 U4.5 U5.3 U5.5 U6.3 U6.5 U9.6 U9.7
+VQ: C10.2 C27.2 C29.1 U7.7 U9.5
ADC_LRCLK: M1.47 U7.24
ADC_MCLK: M1.14 U7.23
ADC_RST: M1.39 R53.2 U7.41
ADC_SCLK: M1.48 U7.25
ADC_TDM: M1.46 U8.4
GND: C2.1 C3.1 C4.1 C5.1 C6.1 C8.1 C9.1 C10.1 C11.1 C12.1 C13.1 C14.1 C16.1 C17.1 C18.2 C20.1 C21.1 C22.1 C23.2 C25.1 C27.1 C29.2 C35.1 J2.6 J2.CDA J2.M R14.1 R19.1 R21.1 U1.4 U2.4 U3.4 U4.4 U5.4 U6.4 U7.3 U7.5 U7.8 U7.10 U7.15 U7.16 U7.17 U7.18 U7.19 U7.21 U7.22 U7.29 U7.32 U8.1 U8.3 U9.4
Net10_1: 10.1 C7.2 R1.2 U7.43
Net10_2: 10.2 C7.1 C19.2 R1.1 R2.2 R3.2
NetC15_1: C15.1 C19.1 R3.1 R4.2 R6.1 U1.6
NetC15_2: C15.2 R6.2 U1.7 U7.44
NetC24_1: C24.1 C32.2 R7.2 R8.2 R10.1 U2.2
NetC24_2: C24.2 R10.2 U2.1 U7.45
NetC26_1: C26.1 C32.1 R8.1 R9.2 R11.1 U2.6
NetC26_2: C26.2 R11.2 U2.7 U7.46
NetC28_1: C28.1 C38.2 R12.2 R13.2 R20.1 U3.2
NetC28_2: C28.2 R20.2 U3.1 U7.47
NetC30_1: C30.1 C38.1 R13.1 R16.2 R22.1 U3.6
NetC30_2: C30.2 R22.2 U3.7 U7.48
NetC31_1: C31.1 C40.2 R23.2 R24.2 R26.1 U4.2
NetC31_2: C31.2 R26.2 U4.1 U7.1
NetC33_1: C33.1 C40.1 R24.1 R25.2 R27.1 U4.6
NetC33_2: C33.2 R27.2 U4.7 U7.2
NetC34_1: C34.1 C41.2 R28.2 R29.2 R31.1 U5.2
NetC34_2: C34.2 R31.2 U5.1 U7.11
NetC36_1: C36.1 C41.1 R29.1 R30.2 R32.1 U5.6
NetC36_2: C36.2 R32.2 U5.7 U7.12
NetC37_1: C37.1 C42.2 R33.2 R34.2 R36.1 U6.2
NetC37_2: C37.2 R36.2 U6.1 U7.13
NetC39_1: C39.1 C42.1 R34.1 R35.2 R37.1 U6.6
NetC39_2: C39.2 R37.2 U6.7 U7.14
NetJ1_1: J1.1 R2.1
NetJ1_2: J1.2 R4.1
NetJ1_3: J1.3 R7.1
NetJ1_4: J1.4 R9.1
NetJ1_5: J1.5 R12.1
NetJ1_6: J1.6 R16.1
NetJ1_7: J1.7 R23.1
NetJ1_8: J1.8 R25.1
NetJ1_9: J1.9 R28.1
NetJ1_10: J1.10 R30.1
NetJ1_11: J1.11 R33.1
NetJ1_12: J1.12 R35.1
NetR14_2: R14.2 U7.38
NetR15_2: R15.2 U7.37
NetR17_2: R17.2 U7.40
NetR18_2: R18.2 U7.39
NetR19_2: R19.2 U7.42
NetR21_2: R21.2 U7.34
NetU7_30: U7.30 U8.2
SD_CD: J2.CDB M1.24 R38.2
SD_CLK: J2.5 M1.25
SD_CMD: J2.3 M1.30
SD_D0: J2.7 M1.29
SD_D1: J2.8 M1.28
SD_D2: J2.1 M1.27
SD_D3: J2.2 M1.26
pads on no net: 10.4 10.5 10.6 10.7 10.8 C1.1 C1.2 J1.M1 J1.M2 M1.1 M1.2 M1.3 M1.4 M1.5 M1.6 M1.7 M1.8 M1.9 M1.10 M1.11 M1.12 M1.13 M1.15 M1.16 M1.20 M1.21 M1.22 M1.23 M1.31 M1.32 M1.33 M1.34 M1.35 M1.36 M1.37 M1.38 M1.40 M1.41 M1.42 M1.43 M1.44 M1.45 POT1.1 POT1.2 POT1.3 POT1.4 POT1.5 POT1.MH1 POT1.MH2 POT2.1 POT2.2 POT2.3 POT2.4 POT2.5 POT2.MH1 POT2.MH2 R5.1 R5.2 U1.1 U1.2 U1.3 U7.26 U7.27 U7.31 U7.36 U9.1 U9.2 U9.3 U10.1 U10.2 U10.3 U10.4 U10.5 U10.6 U10.7 U10.8 U10.9 U10.10 U10.11 U10.12 U10.A U11.1 U11.2 U11.3 U11.4 U11.5 U11.MH1 U11.MH2

## Silkscreen, mask and mechanical layers (free items; w line width, h text height)
Top Overlay:
  text "TONE/MOD" at 10085,916.77 h150
  text "VOLUME" at 8448,858.77 h150
  text "PRS11R-420F-S103B1" at 9913,774.77 h150
  text "PRS11R-415F-S103B1" at 8145,723.77 h150
  text "PAC18R1-41D19F" at 11421,-831 h150
  text "A11205RNCQ" at 9174,-865 h150
  text "8/12/16  Absolute Encoder" at 11236,-983 h150
  text "12-WAY SELECTOR SWITCH" at 8670,-1029 h150
[8] Board Outline:
  drawing of 1260 lines, arcs and shapes, not listed

## Text inside footprints (layer, text, board x,y; h text height)
J2: [1] 3D Body Top "LOCK" at -1161.2,-4566.1 h9.84 r90; [1] 3D Body Top "OVERSTROKE" at -1191.71,-4624.17 h9.84 r90; [1] 3D Body Top "CARD EJECT" at -1003.72,-4620.24 h9.84 r90
M1: Top Overlay "25" at -3511,-3272 h30; Top Overlay "36" at -2391,-3212 h30; Top Overlay "35" at -2511,-3272 h30; Top Overlay "24" at -3641,-3212 h30; Top Overlay "20" at -3639,-2807 h30; Top Overlay "16" at -3639,-2408 h30; Top Overlay "12" at -3639,-2007 h30; Top Overlay "11" at -3514,-1942 h30; Top Overlay "1" at -2503,-1947 h30; Top Overlay "48" at -2391,-2002 h30
U10: Top Overlay "A" at 9721.11,-274.1 h76; Top Overlay "12" at 9941.11,-194.1 h76; Top Overlay "11" at 9881.11,-54.1 h76; Top Overlay "10" at 9721.11,66.79 h76; Top Overlay "9" at 9581.11,86.79 h76; Top Overlay "8" at 9401.11,26.79 h76; Top Overlay "7" at 9301.11,-134.1 h76; Top Overlay "6" at 9281.11,-353.21 h76; Top Overlay "5" at 9361.11,-493.21 h76; Top Overlay "4" at 9541.11,-594.1 h76; Top Overlay "3" at 9721.11,-593.21 h76; Top Overlay "2" at 9861.11,-514.1 h76; Top Overlay "1" at 9961.11,-374.1 h76; Bottom Overlay "A" at 9748.59,-273.63 h76; Bottom Overlay "12" at 10001.11,-194.1 h76; Bottom Overlay "11" at 9961.11,-54.1 h76; Bottom Overlay "10" at 9781.11,66.79 h76; Bottom Overlay "9" at 9561.11,66.79 h76; Bottom Overlay "4" at 9581.11,-594.1 h76; Bottom Overlay "3" at 9761.11,-593.21 h76; Bottom Overlay "2" at 9888.59,-513.63 h76; Bottom Overlay "1" at 9988.59,-373.63 h76; Bottom Overlay "8" at 9428.59,27.27 h76; Bottom Overlay "7" at 9328.59,-133.63 h76; Bottom Overlay "6" at 9321.11,-353.21 h76; Bottom Overlay "5" at 9401.11,-493.21 h76